# Altium PCB PCB3.PcbDoc
Units mil, origin at the board's own origin, x right, y up, seen from the top; angles counter-clockwise.
Board outline 2730 x 1345 mil, 2 copper layers (Top Layer, Bottom Layer); 46 components, 35 nets, 132 pads, 39 vias.
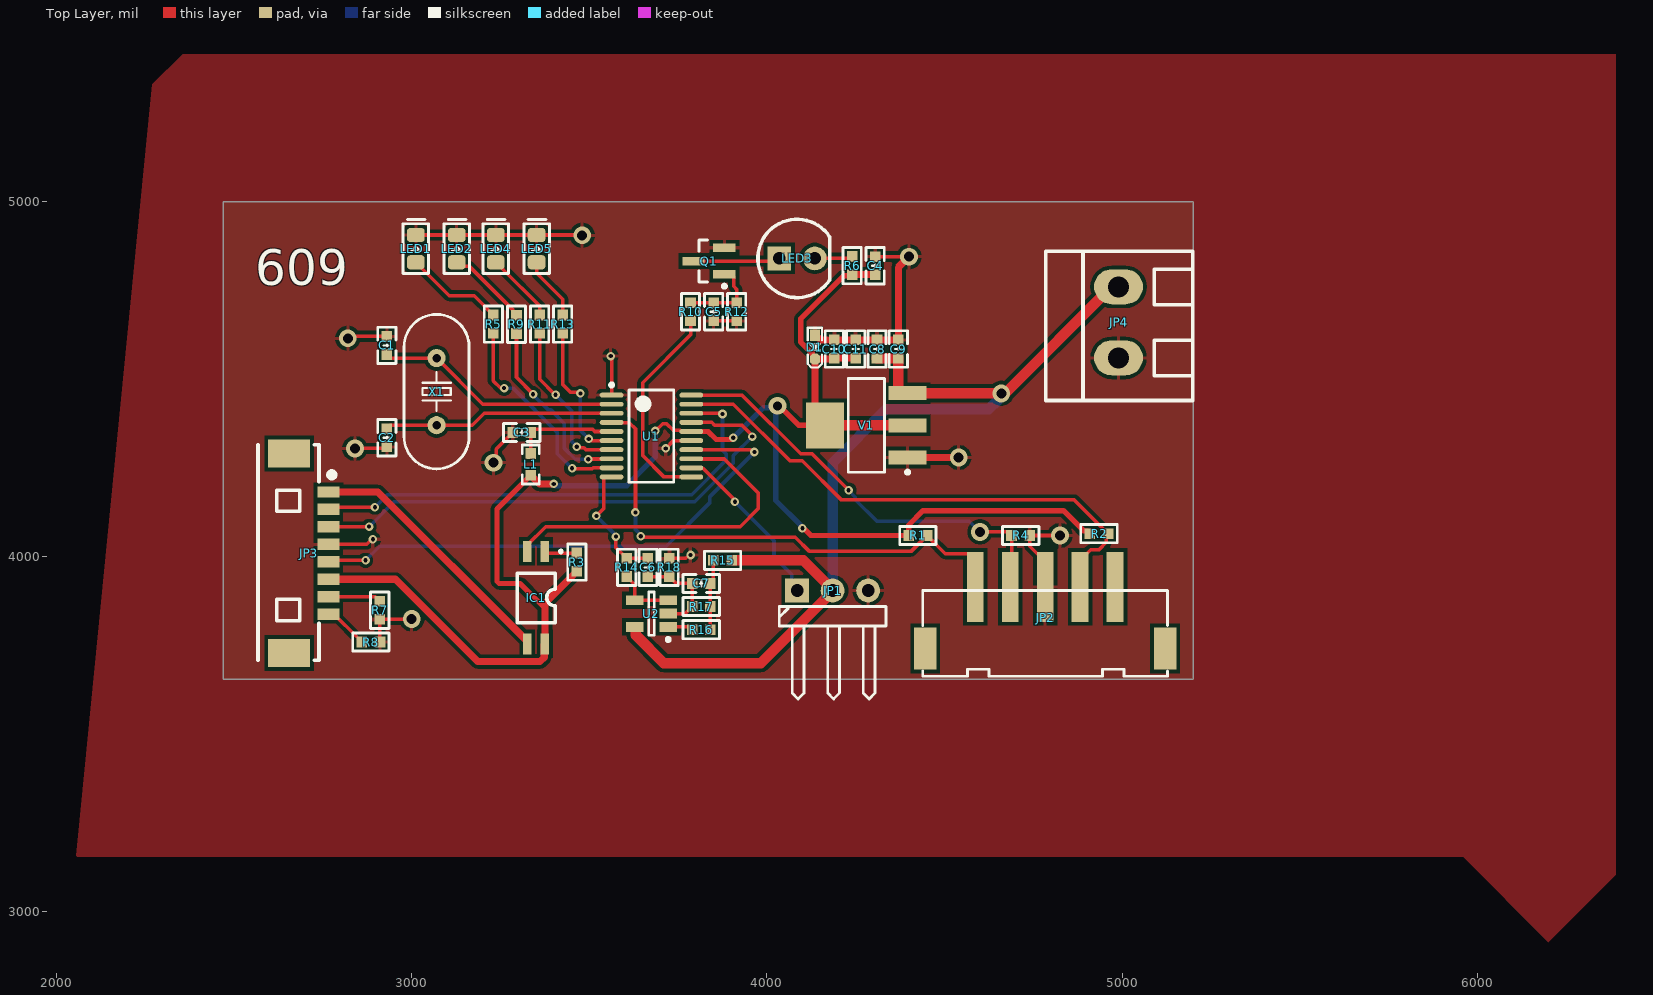
[diagram p0: Top Layer view]
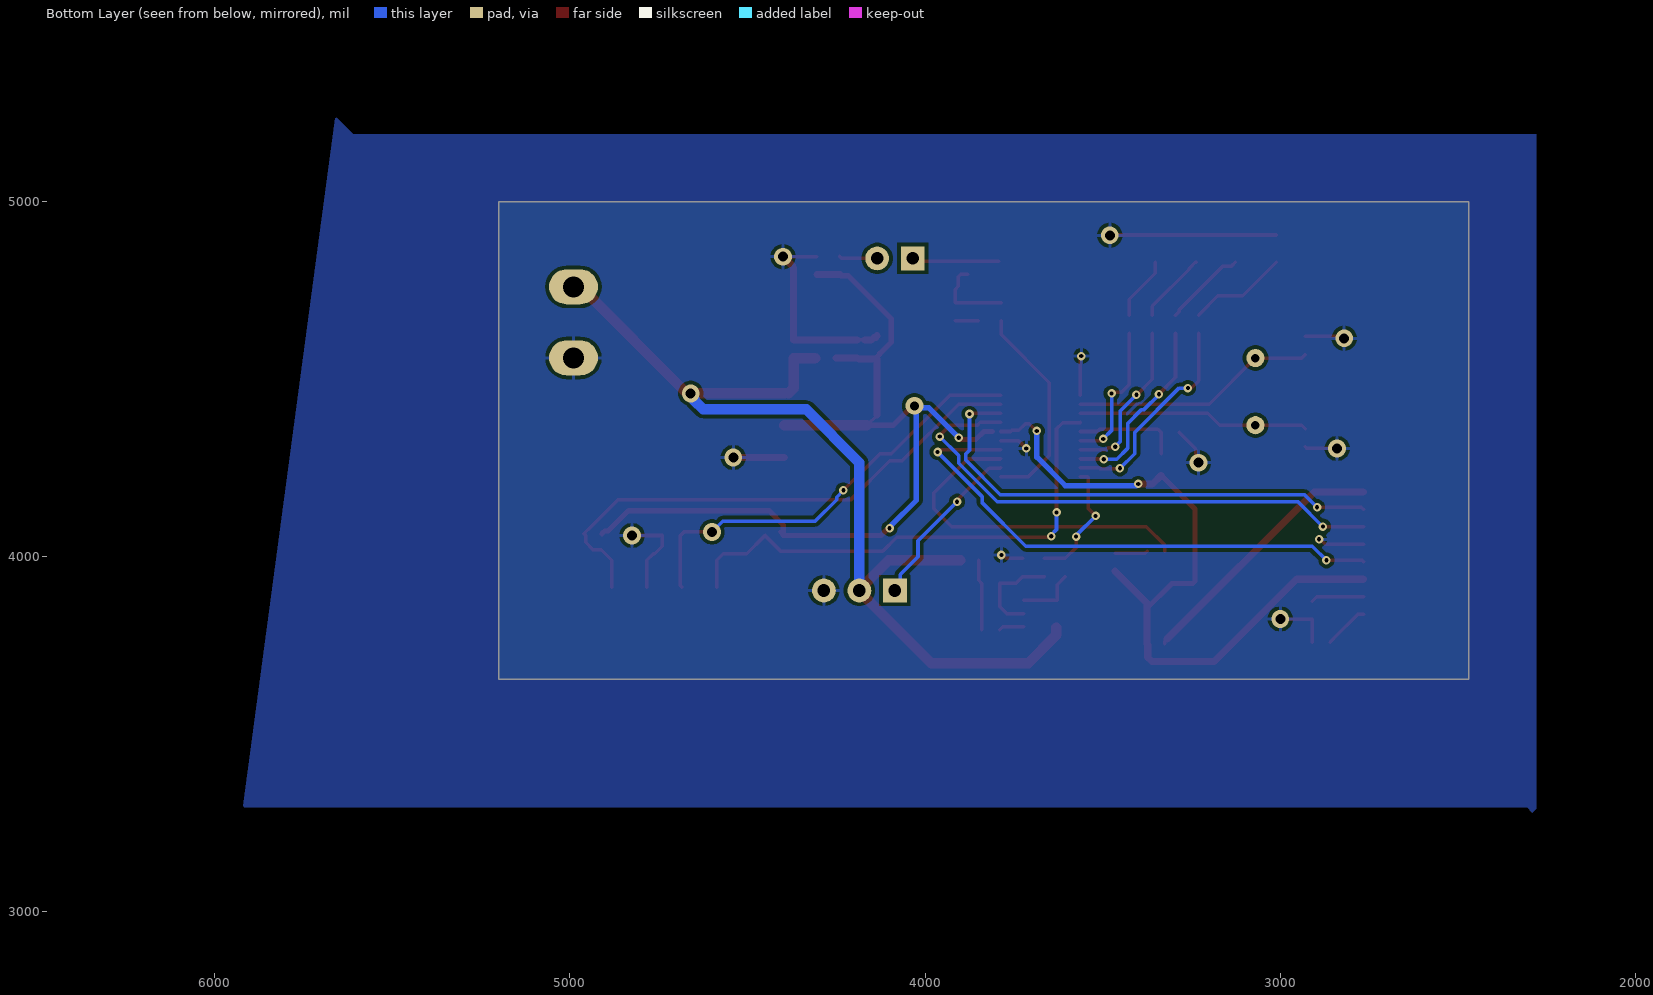
[diagram p1: Bottom Layer view, seen from below]

## Layer stack, top to bottom
Top Solder: solder mask 0.4, Solder Resist, Dk 3.5
Top Layer: signal copper 1.4
Dielectric 1: dielectric 12.6, FR-4, Dk 4.8
Bottom Layer: signal copper 1.4
Bottom Solder: solder mask 0.4, Solder Resist, Dk 3.5

## Board outline
2470,3655 5200,3655 5200,5000 2470,5000

## Design rules (kind name [scope] priority, off if disabled: settings)
Clearance [All] p1: gap=10 ignorepadtopadclearanceinfootprint=FALSE except(0: Arc-Hole Track-Hole SMDPad-Hole THPad-Hole Via-Hole Fill-Hole Poly-Hole Region-Hole Text-Hole)
PolygonConnect [All] p1: connectstyle=Relief reliefconductorwidth=10 reliefentries=4 polygonreliefangle="90 Angle" airgapwidth=10
RoutingVias [All] p1: holewidth=12 width=24 viastyle="Through Hole" minholewidth=10 minwidth=20 maxholewidth=28 maxwidth=50
SolderMaskExpansion [All] p1: expansion=4 istentingtop=FALSE
Width [All] p1: maxlimit=50 minlimit=10 preferedwidth=10 minimp=50.000000 maximp=50.000000 favimp=50.000000
30 further rules are at their usual default settings.

## Components (designator, comment, footprint, x,y, rotation, side; value= is the part's Value field where it differs from the comment)
C1 "22p" C0603_L 2930,4595 r270 top
C2 "22p" C0603_L 2930,4335 r90 top
C3 "100n" C0603_L 3310,4350 r0 top
C4 "100n" C0603_L 4305,4819.41 r270 top
C5 "100n" C0603_L 3850,4690 r90 top
C6 "100n" C0603_L 3665,3970 r90 top
C7 "10n" C0603_L 3815,3925 r0 top
C8 "100n" C0603_L 4310,4585 r270 top
C9 "47u" C0603_L 4370,4585 r270 top
C10 "100n" C0603_L 4190,4585 r270 top
C11 "10u" C0603_L 4250,4585 r270 top
D1 "TVS" SOD-523 4135,4590 r270 top
IC1 "PC817" SOP4 3350,3885 r90 top
JP1 "HDR-1X3" HDR2.54-WI-3P 4185,3905 r0 top
JP2 "HDR-1X5" XH2.54-LS-5P 4783.43,3781.81 r180 top
JP3 "HDR-1X8" MX1.25-WT-8P 2655,4010 r270 top
JP4 "HDR-1X2" KF128-5.08-2P 4990,4660 r90 top
L1 "180N" L0603 3335,4260 r90 top
LED1 "绿色" LED0805_G 3011.66,4867.6 r90 top
LED2 "绿色" LED0805_G 3126.66,4867.6 r90 top
LED3 "红色" "LED 5MM-B" 4085,4840 r0 top
LED4 "绿色" LED0805_G 3236.66,4867.6 r90 top
LED5 "绿色" LED0805_G 3351.66,4867.6 r90 top
Q1 "BCP68" SOT23-3M 3836.69,4832.6 r180 top
R1 "10K" R0603_L 4425,4060 r180 top
R2 "10K" R0603_L 4935,4065 r180 top
R3 "330R" R0603_L 3465,3985 r90 top
R4 "10K" R0603_L 4714.41,4060 r180 top
R5 "3.3k" R0603_L 3230,4655 r270 top
R6 "130" R0603_L 4240,4820 r270 top
R7 "4.7K" R0603_L 2910,3849.41 r90 top
R8 "4.7K" R0603_L 2885,3760 r180 top
R9 "3.3k" R0603_L 3295,4654.41 r270 top
R10 "4.7k" R0603_L 3785,4690 r90 top
R11 "3.3k" R0603_L 3360,4655 r270 top
R12 "3.3k" R0603_L 3915,4690 r90 top
R13 "3.3k" R0603_L 3425,4655 r270 top
R14 "100" R0603_L 3605,3970 r90 top
R15 "3K" R0603_L 3875,3990 r180 top
R16 "1K" R0603_L 3815,3795 r180 top
R17 "1K" R0603_L 3815,3860 r0 top
R18 "0R" R0603_L 3725,3970 r270 top
U1 "STM32F030F4P6" TSSOP20_N 3675,4340 r0 top
U2 "LM321" SOT23-5M 3675,3840 r180 top
V1 "3V3LDO" SOT223_M 4280,4370 r180 top
X1 "8MHz" HC-49S 3070,4465 r90 top

## Footprints (in the part's own frame and the unit in brackets; to place one, negate y for a bottom-side part, rotate by r counter-clockwise, add the part's x,y. Pads: shape width x height; smd on the part's side, far side on the other; paste and mask are expansions set on the pad)
C0603_L [mil] "贴片MLCC电容"
  rect 30x30 smd: 1(-25.59,0) 2(25.59,0)
  silkscreen extent -51,-26 51,26, body extent -31,-16 32,16, height 33
HC-49S [mm] "封装库来自淘宝卖家 ID：黄晶宝石"
  round 1.3 hole 0.6: 1(-2.4,0) 2(2.4,0)
  silkscreen extent -5.52,-2.32 5.52,2.33, body extent -5.52,-2.32 5.53,2.33, height 4.18
HDR2.54-WI-3P [mm] "弯脚排针，3脚"
  rect 1.7x1.7 hole 0.9: 1(-2.54,0)
  round 1.7 hole 0.9: 2(0,0) 3(2.54,0)
  silkscreen extent -3.81,-7.76 3.81,-1.14, body extent -3.81,-7.77 3.81,1.27, height 4.9
KF128-5.08-2P [mm] "螺钉式接线端子，脚距5.08mm"
  oval 2.5x3.5 hole 1.5: 1(-2.54,0) 2(2.54,0)
  silkscreen extent -5.59,-5.31 5.08,5.21, body extent -5.58,-5.3 5.08,5.2, height 14.18
L0603 [mil] "小功率贴片电感            联系卖家 免费查找封装"
  rect 30x30 smd: 1(-30.59,0) 2(30.59,0)
  silkscreen extent -55,-24 55,24, body extent -31,-16 32,16, height 31
LED0805_G [mil] "绿色0805LED            联系卖家 免费查找封装"
  rrect50% 40x50 smd: 1(-38.4,0) 2(38.4,0)
  silkscreen extent -70,-36 82,36, body extent -39,-25 39,25, height 32
"LED 5MM-B" [mm] "蓝色5mm直插LED                           淘宝卖家ID:黄晶宝石"
  rect 1.7x1.7 hole 0.9: 1(-1.27,0)
  round 1.7 hole 0.9: 2(1.27,0)
  silkscreen extent -2.8,-2.8 2.33,2.8, body extent -2.85,-2.85 2.45,2.85, height 8.75
MX1.25-WT-8P [mm] "长：15.15mm，宽：4.2mm，高：3.4mm"
  rect 2x3 smd: 0(-7.132,0) 0(7.132,0)
  rect 0.8x1.6 smd: 1(-4.389,2.811) 2(-3.139,2.811) 3(-1.889,2.811) 4(-0.639,2.811) 5(0.611,2.811) 6(1.861,2.811) 7(3.111,2.811) 8(4.361,2.811)
  silkscreen extent -7.77,-2.23 7.67,3.25, body extent -7.57,-2.1 7.58,3.09, height 3.4
R0603_L [mil] "1/10W贴片电阻"
  rect 30x30 smd: 1(-25.59,0) 2(25.59,0)
  silkscreen extent -51,-26 51,26, body extent -31,-16 32,16, height 16
SOD-523 [mm] "1.2x0.8X0.6mm（长宽高，不包括引脚）"
  rect 0.8x0.7 smd: 1(-0.85,0)
  oct 0.8x0.7 smd: 2(0.85,0)
  silkscreen extent -1.4,-0.51 1.45,0.51, body extent -0.8,-0.4 0.8,0.4, height 0.65
SOP4 [mm] "间距1.27mm     封装库来自淘宝卖家 ID：黄晶宝石"
  rect 1.5x0.6 smd: 1(3.31,-0.635) 2(3.31,0.635) 3(-3.309,0.635) 4(-3.309,-0.635)
  silkscreen extent -1.81,-1.88 3.4,1.35, body extent -3.49,-1.36 3.51,1.44, height 2.1
SOT23-3M [mm] "SOT23, 3-Leads, Body 2.9x1.3mm, Pitch 0.95mm, Lead Span 2.4mm, IPC Low Density"
  rect 1.6x0.6 smd: 1(-1.1,0.95) 2(-1.1,-0.95) 3(1.1,0)
  silkscreen extent -1.22,-1.5 0.7,1.92, body extent -1.4,-1.45 1.4,1.45, height 1.2
SOT23-5M [mm] "SOT23, 5-Leads, Body 2.9x1.6mm, Pitch 0.95mm, IPC Low Density                联系卖家 免费查找封装"
  rect 1.25x0.7 smd: 1(-1.2,0.95) 2(-1.2,0) 3(-1.2,-0.95) 4(1.2,-0.95) 5(1.2,0.95)
  silkscreen extent -1.33,-1.55 0.2,1.97, body extent -1.4,-1.5 1.4,1.5, height 1.15
SOT223_M [mm] "SOT223, 4-Leads, Body 6.5x3.5mm, Pitch 2.3mm, Lead Span 7mm, IPC Low Density"
  rect 2.7x1 smd: 1(-2.95,2.3) 2(-2.95,0) 3(-2.95,-2.3)
  rect 2.7x3.3 smd: 4(2.95,0)
  silkscreen extent -3.08,-3.35 1.3,3.47, body extent -3.56,-3.3 3.46,3.2, height 1.65
TSSOP20_N [mm] "TSOP, 20-Leads, Body 6.5x4.4mm, Pitch 0.65mm, IPC Medium Density"
  oval 1.7x0.35 smd: 1(-2.85,2.925) 2(-2.85,2.275) 3(-2.85,1.625) 4(-2.85,0.975) 5(-2.85,0.325) 6(-2.85,-0.325) 7(-2.85,-0.975) 8(-2.85,-1.625) 9(-2.85,-2.275) 10(-2.85,-2.925) 11(2.85,-2.925) 12(2.85,-2.275) 13(2.85,-1.625) 14(2.85,-0.975) 15(2.85,-0.325) 16(2.85,0.325) 17(2.85,0.975) 18(2.85,1.625) 19(2.85,2.275) 20(2.85,2.925)
  silkscreen extent -2.97,-3.3 1.6,3.77, body extent -3.2,-3.25 3.2,3.25, height 1.03
XH2.54-LS-5P [mm] "长：17.5mm，宽：6mm，高：8.3mm"
  rect 1.6x3 smd: 0(-8.576,1.016) 0(8.576,1.016)
  rect 1.2x5 smd: 1(-5,-3.383) 2(-2.5,-3.383) 3(0,-3.383) 4(2.5,-3.383) 5(5,-3.383)
  silkscreen extent -8.75,-3.13 8.75,3, body extent -8.75,-6 8.75,3, height 8.05

## Part data
C1 C2 C3 C4 C5 C6 C7 C8 C9 C10 C11: library part C, "贴片电容/MLCC电容", BOM名称=无极性贴片电容, 联系下单店铺卖家 免费帮你查找封装="联系下单店铺卖家 免费技术支持"
D1: "TVS通用", Code_JEDEC=DO-214-AB, 以赠品形式获赠本封装库的买家，还可联系卖家免费指导AD软件使用=封装库来自淘宝卖家ID：黄晶宝石
IC1: "线性光耦", BOM名称=线性光耦, 封装库来自淘宝卖家：黄晶宝石=其他店铺购入均为盗版封装库，请立即申请退款，本店现金奖励200~1000元
JP1: library part "Header 3", "3P接插件", BOM名称=3P接插件, 封装库来自淘宝卖家ID：黄晶宝石=其他店铺购入均为盗版封装库，请立即申请退款，本店现金奖励50~200元, 联系卖家，免费查找封装=唯一出售店铺网址https://shop463601444.taobao.com
JP2: library part "Header 5", "5P接插件", BOM名称=5P接插件, 封装库来自淘宝卖家ID：黄晶宝石=其他店铺购入均为盗版封装库，请立即申请退款，本店现金奖励50~200元, 联系卖家，免费查找封装=唯一出售店铺网址https://shop463601444.taobao.com
JP3: library part "Header 8", "8P连接器", BOM名称=8P连接器, 联系卖家 免费技术支持=封装库来自淘宝卖家ID：黄晶宝石
JP4: library part "Header 2", "2P接插件", BOM名称=2P接插件, 联系卖家，免费技术支持=唯一出售店铺网址https://shop463601444.taobao.com
L1: library part L, "贴片小功率电感", BOM名称=小功率贴片电感, 联系下单店铺卖家 免费帮你查找封装="联系下单店铺卖家 免费技术支持"
LED1 LED2 LED4 LED5: library part LED, "贴片LED", BOM名称=贴片LED, 封装库来自淘宝卖家：黄晶宝石=其他店铺购入均为盗版封装库，请立即申请退款，本店现金奖励200~1000元
LED3: library part LED-5MM, "直插5mm LED", BOM名称=5mm插件LED, 封装库来自淘宝卖家：黄晶宝石=其他店铺购入均为盗版封装库，请立即申请退款，本店现金奖励200~1000元
Q1: "NPN三极管", 8元以下特价购入的买家=还可以联系卖家远程指导AD软件使用
R1 R2 R3 R4 R5 R6 R7 R8 R9 R10 R11 R12 R13 R14 R15 R16 R17 R18: library part R, "贴片电阻", BOM名称=贴片电阻, 联系下单店铺卖家 免费帮你查找封装="联系下单店铺卖家 免费技术支持"
U1: library part STM32F030F4, "Flash: 16K/RAM: 4K/IO: 15", 联系卖家，免费查找封装=唯一出售店铺网址https://shop463601444.taobao.com
U2: "Low Power Single Op Amp, 5-pin SOT-23", 联系下单店铺卖家 免费帮你查找封装=唯一出售店铺网址https://shop463601444.taobao.com
V1: library part CJT1117B-3.3, "低压差线性稳压芯片（4脚是out）"
X1: library part XTAL-2P, "2脚无源晶振(谐振器）", BOM名称=2脚无源晶振(谐振器）, 联系下单店铺卖家 免费帮你查找封装="联系下单店铺卖家 免费技术支持"

## Via types
v1: diameter 24, hole 12, Top Layer to Bottom Layer, 28 vias
v2: diameter 50, hole 28, Top Layer to Bottom Layer, 10 vias
v3: diameter 50, hole 25, Top Layer to Bottom Layer, 1 vias

## Nets (pads, with @x,y where several pads share a name; then routed paths per layer and width w, separated by ;. In a path a pad name is that pad's centre, name@x,y a point inside that pad or via, vN(x,y) a via of type N, cw(c..) or ccw(c..) an arc to the next point about the centre after c; other vN are vias at no path point)
+3.3V: C4.2 C10.2 C11.2 D1.2 IC1.4 JP3.6 L1.1 R1.2 R2.2 R3.1 R6.2 U1.16 V1.2 V1.4 | length 4727
  Top Layer w10: 3240,3930.86 3245.86,3925 ; v1(3685.74,4354.26) 3706.48,4375 3717.4,4375 3735.91,4356.5 3755.91,4356.5 3759.61,4352.8 U1.16 ; v3(4030,4425) v3@4033.79,4425 ; v3@4043.79,4415 v3@4045,4415 ; v1(4100,4080) v1@4103.79,4080 ; D1.2@4127.31,4570.16 4127.31,4572.69 ; V1.4@4135,4398.86 V1.4 ; D1.2 D1.2@4135,4562.46 ; C10.2@4187.12,4556.54 C10.2 ; R6.2@4236.44,4790.85 R6.2 ; C4.2@4304.41,4794.41 C4.2 ; R1.2 R1.2@4409.41,4070
  Top Layer w15: 3240,3930.86 3240,4134.42 L1.1 ; 3245.86,3925 3305,3925 3375,3855 ; U1.16@3810.67,4352.8 3834.48,4352.8 3857.27,4330 3898.92,4330 v1@3903.92,4335 ; v3@4045,4415 4090,4370 V1.4 ; v1@4103.79,4080 4103.79,4078.65 4104.16,4078.28 4105.51,4078.28 4123.79,4060 R1.2 4399.41,4089.41 4440,4130 4835,4130 4892.5,4072.5 4901.91,4072.5 R2.2 ; D1.2@4127.31,4570.16 D1.2@4135,4562.46 ; 4127.31,4572.69 4095,4605 4095,4670 4215.85,4790.85 R6.2@4236.44,4790.85
  Top Layer w20: JP3.6 2954.31,3936.72 3186.04,3705 3361.47,3705 3373.19,3716.72 3373.19,3752.89 IC1.4 3375,3855 3375,3869.4 R3.1 ; L1.1 3359.41,4205 v1(3400,4205) ; v1@3903.92,4335 v1(3905,4335) ; v3@4033.79,4425 v3@4043.79,4415 ; V1.4@4135,4398.86 D1.2 C10.2@4187.12,4556.54 ; C10.2 C11.2 ; R6.2 C4.2@4304.41,4794.41
  Top Layer w30: V1.4 V1.2
  Bottom Layer w10: v1(3400,4205) v1@3405,4200 ; v3@4017.14,4420 v3@4019.46,4422.32 ; v1(4100,4080) v1@4100,4083.79
  Bottom Layer w15: v1@3405,4200 3605,4200 3685.5,4280.5 3685.5,4354.02 v1(3685.74,4354.26) ; v1(3905,4335) 3990,4420 v3@4017.14,4420 ; v3@4019.46,4422.32 v3@4027.32,4422.32 ; v3(4030,4425) 4025,4420 4025,4158.79 4095.5,4088.29 4095.5,4086.94 4098.65,4083.79 v1@4100,4083.79
AGND: C6.1 C7.1 R17.1 R18.2 U2.2 | length 272.9
  Top Layer w10: C6.1 R18.2 3744.41,3925 C7.1 R17.1 3769.41,3840 U2.2
GND: C1.1 C2.1 C3.1 C4.1 C5.1 C8.1 C9.1 C10.1 C11.1 D1.1 JP1.3 JP2.3 JP3.4 JP4.1 LED1.2 LED2.2 LED4.2 LED5.2 Q1.2 R4.1 R7.1 R8.1 R12.1 R18.1 U1.1 U1.15 V1.1 | length 2412
  Top Layer w10: JP3.4 2873.18,4035.15 2887.12,4049.09 v1(2890.91,4049.09) ; v2@2810,4620 2810.59,4620.59 C1.1 ; v2(2840,4305) 2925.6,4305 C2.1 ; R8.1 2910,3760.6 R7.1 3008.82,3823.82 v2@3010,3825 ; LED1.2 LED2.2 LED4.2 LED5.2 3489,4906 v2@3490,4905 ; v2(3230,4265) 3237.65,4272.65 3237.65,4303.24 C3.1 ; v1(3560,4565) 3562.8,4562.2 U1.1 ; v1(3715,4305) 3737.2,4327.2 U1.15 ; R18.1 3771.81,3995.59 3781.21,4005 v1(3785,4005) ; C5.1 R12.1 ; 4170.31,4610.59 C10.1 ; C4.1 v2(4400,4845) ; JP2.3 4783.43,3989.8 4764.8,4008.43 4761.57,4008.43 4740,4030 R4.1 v2(4825,4060) ; JP4.1@4970.31,4560 JP4.1
  Top Layer w20: D1.1 4135,4621.5 4138.78,4617.72 4143.37,4617.72 4150.5,4610.59 4170.31,4610.59 ; C10.1 C11.1 C8.1 C9.1 4370,4815 v2(4400,4845) ; V1.1 v2(4540,4279.45)
  other v2: 3000,3825 2820,4615 3480,4905
NetC1_2: C1.2 U1.2 X1.2 | length 690.7
  Top Layer w10: C1.2 2939.92,4559.49 X1.2 3199.92,4429.57 U1.2
NetC2_2: C2.2 U1.3 X1.1 | length 651.2
  Top Layer w10: C2.2 2939.93,4370.51 X1.1 3070.51,4370 3170,4370 3203.98,4403.98 U1.3
NetC3_2: C3.2 L1.2 U1.5 | length 293.1
  Top Layer w10: L1.2 3335,4349.41 C3.2 3344.47,4358.88 3509.67,4358.88 3515.75,4352.8 U1.5
NetC5_2: C5.2 Q1.1 R10.2 R12.2 | length 235.6
  Top Layer w10: R10.2 C5.2 R12.2 3915,4752.73 3906.5,4761.24 3906.5,4788.39 3899.69,4795.2 Q1.1
NetC6_2: C6.2 R14.2 U1.10 | length 353.8
  Top Layer w10: v1(3520,4115) 3541.22,4136.22 3541.22,4223.1 3542.97,4224.84 U1.10 ; v1(3575,4057) 3575,4025.59 R14.2 C6.2
  Bottom Layer w10: v1(3520,4115) 3575,4060 v1(3575,4057)
NetC7_2: C7.2 R15.2 R16.1 R17.2 | length 198.7
  Top Layer w10: R16.1 R17.2 C7.2 3849.41,3933.82 R15.2
NetIC1_1: IC1.1 R3.2 | length 92
  Top Layer w10: IC1.1 3379.71,4010.59 R3.2
NetIC1_2: IC1.2 U1.13 | length 982.5
  Top Layer w10: IC1.2 3325,4033.01 3376.99,4085 3925,4085 3975,4135 3975,4180 3879.7,4275.3 3787.93,4275.3 U1.13
NetIC1_3: IC1.3 JP3.1 | length 741.1
  Top Layer w10: IC1.3@3318.19,3769.14 3325,3762.33 IC1.3
  Top Layer w20: JP3.1 2904.54,4182.79 IC1.3@3318.19,3769.14
NetJP1_1: JP1.1 U1.12 | length 487.5
  Top Layer w10: U1.12 3787.93,4249.71 3819.87,4249.71 3907.32,4162.26 3907.32,4157.68 v1(3910,4155)
  Bottom Layer w10: v1(3910,4155) 4020,4045 4020,4000 4070,3950 4070,3920 JP1.1
NetJP2_2: JP2.2 R2.1 U1.19 | length 1520.5
  Top Layer w10: U1.19 3905.43,4429.57 4064.96,4270.04 4099.96,4270.04 4210,4160 4865.63,4160 4939.41,4086.22 R2.1 4955.86,4060.27 4955.86,4040.86 4935,4020 4912.05,4020 4881.85,3989.8 JP2.2
NetJP2_4: JP2.4 R4.2 U1.20 | length 1216
  Top Layer w10: U1.20 3929.84,4455.16 4094.96,4290.04 4126.96,4290.04 v1(4230,4187) ; v2(4600,4070) 4678.82,4070 R4.2 4688.82,3918.82 JP2.4
  Bottom Layer w10: v1(4230,4187) 4249.13,4167.87 4249.13,4160.87 4310,4100 4570,4100 v2(4600,4070)
NetJP2_5: JP2.5 R1.1 U1.4 | length 1465
  Top Layer w10: U1.4 3563.52,4377.66 3612.34,4377.66 3630,4360 v1(3630,4125) ; v1(3645,4058) 3648,4055 4080,4055 4120,4015 4405.62,4015 4429.41,4038.79 R1.1 4502.17,4008.43 4567.95,4008.43 4586.57,3989.8 JP2.5
  Bottom Layer w10: v1(3630,4125) 3630,4076.79 3645,4061.79 v1(3645,4058)
NetJP3_2: JP3.2 U1.18 | length 1399.7
  Top Layer w10: JP3.2 2771.76,4139.68 v1(2896.5,4139.68) ; U1.18 3873.02,4403.98 v1(3875,4402)
  Bottom Layer w10: v1(2896.5,4139.68) 2931.82,4175 3788.43,4175 3885,4271.57 3885,4290 3875,4300 v1(3875,4402)
NetJP3_3: JP3.3 U1.17 | length 1500.3
  Top Layer w10: JP3.3 2766.29,4085 v1(2880,4085) ; U1.17 3844.24,4378.39 3852.63,4370 3930,4370 3958.41,4341.59 v1(3958.41,4338.41)
  Bottom Layer w10: v1(2880,4085) 2950,4155 3796.72,4155 3905,4263.28 3905,4285 v1(3958.41,4338.41)
NetJP3_5: JP3.5 U1.14 | length 1517.8
  Top Layer w10: JP3.5 2769.72,3990 v1(2870,3990) ; U1.14 3954.6,4301.61 3961.21,4295 v1(3965,4295)
  Bottom Layer w10: v1(2870,3990) 2910,4030 3716.82,4030 3839.57,4152.75 3839.57,4169.57 v1(3965,4295)
NetJP3_7: JP3.7 R7.2 | length 149.5
  Top Layer w10: JP3.7 2897.49,3887.51 R7.2
NetJP3_8: JP3.8 R8.2 | length 126.4
  Top Layer w10: JP3.8 2781.4,3838.3 2849.41,3770.29 2849.41,3770 R8.2
NetLED1_1: LED1.1 R5.1 | length 279.9
  Top Layer w10: LED1.1 3105.86,4735 3175.59,4735 R5.1
NetLED2_1: LED2.1 R9.1 | length 233.1
  Top Layer w10: LED2.1 3137.27,4818.59 3161.41,4818.59 3285,4695 3285,4690 R9.1
NetLED3_1: LED3.1 Q1.3 | length 244.7
  Top Layer w10: Q1.3 4027.6,4832.6 LED3.1
NetLED3_2: LED3.2 R6.1 | length 107.3
  Top Layer w10: LED3.2 4234.4,4840 R6.1
NetLED4_1: LED4.1 R11.1 | length 201
  Top Layer w10: LED4.1 3238.95,4829.2 3256.66,4811.49 3256.66,4809.2 3360,4705.86 R11.1
NetLED5_1: LED5.1 R13.1 | length 179
  Top Layer w10: LED5.1 3351.66,4798.34 3425,4725 R13.1
NetR5_2: R5.2 U1.9 | length 606.4
  Top Layer w10: R5.2 3230,4495 3250.86,4474.14 3259.14,4474.14 v1(3260,4475) ; v1(3451.38,4249.16) 3452.92,4247.61 3508.3,4247.61 3511.12,4250.43 U1.9
  Bottom Layer w10: v1(3260,4475) 3285,4475 3410,4350 3410,4290.54 v1(3451.38,4249.16)
NetR9_2: R9.2 U1.8 | length 529.7
  Top Layer w10: R9.2 3295,4505 3341.59,4458.41 v1(3341.59,4457.95) ; v1(3497.11,4274.61) 3497.82,4275.32 3562.09,4275.32 U1.8
  Bottom Layer w10: v1(3341.59,4457.95) 3341.59,4456.59 3383.73,4414.46 3390.54,4414.46 3430,4375 3430,4305 3460.39,4274.61 v1(3497.11,4274.61)
NetR10_1: R10.1 U1.11 | length 597.4
  Top Layer w10: R10.1 3785,4625 3650,4490 3650,4285 3710.16,4224.84 U1.11
NetR11_2: R11.2 U1.7 | length 465.1
  Top Layer w10: R11.2 3360,4500 3403.43,4456.57 v1(3405,4456.57) ; v1(3465,4310) 3467.68,4307.32 3484.86,4307.32 3490.57,4301.61 U1.7
  Bottom Layer w10: v1(3405,4456.57) 3450,4411.57 3450,4325 v1(3465,4310)
NetR13_2: R13.2 U1.6 | length 408.9
  Top Layer w10: R13.2 3425,4485 3447.32,4462.68 3472.32,4462.68 v1(3475,4460) ; v1(3498.49,4331.88) 3502.28,4331.88 3506.95,4327.2 U1.6
  Bottom Layer w10: v1(3475,4460) 3475,4355.37 v1(3498.49,4331.88)
NetR14_1: R14.1 U2.3 U2.4 | length 170.9
  Top Layer w10: R14.1 3627.76,3921.65 U2.4 U2.3
NetR16_2: R16.2 U2.1 | length 70.3
  Top Layer w10: U2.1 3781.82,3802.6 R16.2
VCC: C8.2 C9.2 JP1.2 JP4.2 R15.1 U2.5 V1.3 | length 2837
  Top Layer w10: U2.5 U2.5@3630.32,3800.03 ; V1.3@4384.68,4460.55 V1.3 ; JP4.2@4970.31,4760 JP4.2
  Top Layer w30: U2.5@3630.32,3800.03 3630.32,3779.68 3710,3700 3982.28,3700 4185,3902.72 JP1.2 4185,3907.28 4102.28,3990 R15.1 ; C8.2 C9.2 4370,4475.24 V1.3@4384.68,4460.55 ; V1.3 4670.87,4460.55 JP4.2@4970.31,4760
  Bottom Layer w30: JP1.2 4185,4265 4335,4415 4625,4415 4650,4440 4650,4444.59 v2@4665.41,4460
  other v2: 4660,4460
pads on no net: JP2.0 JP2.1 JP3.0

## Polygon pours and split planes (outlines as drawn)
GND on Bottom Layer "GND_L02_P001" (solid, remove dead copper, pour order 1): 5660,5240 5610,5190 2280,5190 2280,3290 2290,3280 2305,3295 5920,3295
GND on Top Layer "GND_L01_P003" (solid, remove dead copper, pour order 3): 2270,5330 2355,5415 6390,5415 6390,3105 6200,2915 5960,3155 2055,3155

## Silkscreen, mask and mechanical layers (free items; w line width, h text height)
Top Overlay:
  text "609" at 2560,4765 h100
Mechanical 1:
  the board outline again, w10